# KiCad board 11-10084__speedy_processing_module__B.kicad_pcb (continued)
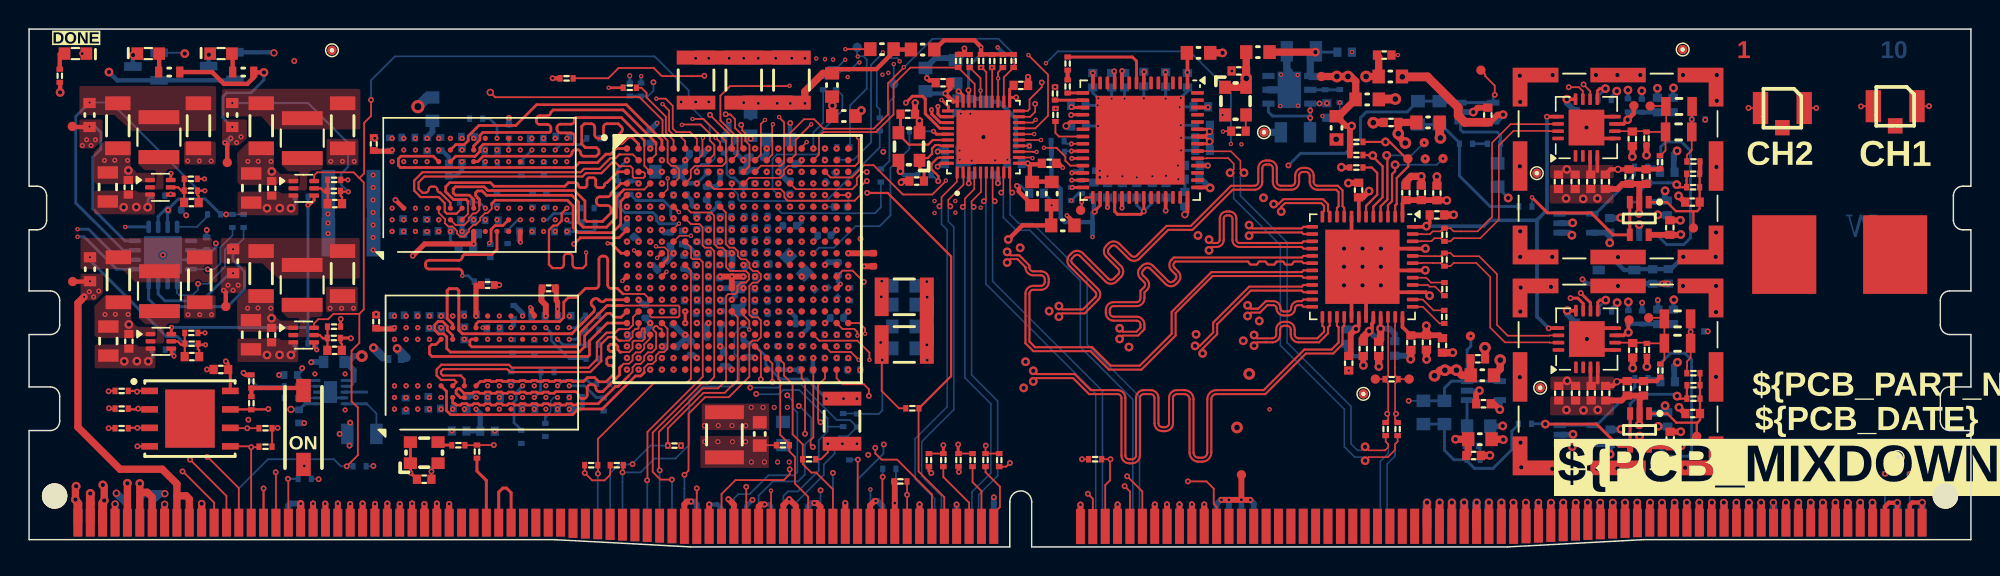
[diagram p0: board, top side]
## Routing (per net, layer and track width the routed paths; a pad name or vN(x,y) marks a point on that pad's centre or on a via; arc(x,y) is an arc through that point) (continued)
  L1 w0.149: 40.25,14.43 40.25,14.43 39.78,14.43 39.29,13.94 39.29,12.77 38.54,12.02 33.03,12.02 32.83,12.22 28.43,12.22 28.28,12.08 28.28,11.91 28.41,11.78 29.64,11.78 29.9,11.52 29.9,11.08
  L1 w0.151: 40.25,14.43 40.5,14.18 40.64,14.18
/TOP_LEVEL_IO/ZYNQ_PS/DDR3_DQS3+: length 21.6
  L3 w0.133: v2(44.26,12.99) 43.99,13.26 43.99,13.46 44.06,13.54 44.06,14.04 43.99,14.11 43.99,14.54 43.6,14.92 42.3,14.92 41.95,15.27 40.35,15.27 38.07,13 26.9,13 26.42,13.48 26.42,14 v4(26.69,14.27)
/TOP_LEVEL_IO/ZYNQ_PS/DDR3_DQS3-: length 21.6
  L3 w0.133: v4(25.89,14.27) 26.16,14 26.16,13.37 26.8,12.74 38.18,12.74 40.45,15.01 41.85,15.01 42.2,14.66 43.5,14.66 43.72,14.43 43.72,14 43.8,13.93 43.8,13.65 43.72,13.57 43.72,13.26 v2(43.46,12.99)
/TOP_LEVEL_IO/ZYNQ_PS/DDR3_ODT0: length 44.6
  L1 w0.187: U18.K1 32.13,20.45 31.78,20.09 29.88,20.09 29.75,19.97 29.75,19.94 arc(29.68,19.77) 29.51,19.7 27.46,19.7 arc(27.29,19.63) 27.22,19.46 27.22,19.34 arc(27.29,19.17) 27.46,19.1 29.51,19.1 arc(29.68,19.03) 29.75,18.86 v2(29.75,18.64)
  L7 w0.155: v2(44.26,17.79) 44.26,17.51 44.63,17.14 44.63,11.62 40.08,7.07 33.7,7.07 32.68,8.09 32.68,8.72 32.29,9.1 v2(32.29,9.47) 31.94,9.83 31.94,11.23 29.53,13.64 29.53,16.36 arc(29.45,16.53) 29.29,16.6 29.27,16.6 arc(29.1,16.67) 29.03,16.84 29.03,16.96 arc(29.1,17.13) 29.27,17.2 29.75,17.2 arc(29.91,17.26) 29.98,17.42 29.98,17.57 arc(29.91,17.73) 29.75,17.8 arc(29.59,17.86) 29.53,18.02 29.53,18.42 v2(29.75,18.64)
  L10 w0.187: 30.55,18.25 30.15,18.64 v2(29.75,18.64)
/TOP_LEVEL_IO/ZYNQ_PS/DDR3_~{CAS}: length 46
  L7 w0.155: v2(32.13,23.29) 32.13,23.65 32.3,23.82 32.3,24.82 32.15,24.97 30.55,24.97 30.25,24.67 30.25,24.32 30.38,24.19 31.4,24.19 31.73,23.87 31.73,23.14 31.52,22.93 30.48,22.93 30.1,22.56 30.1,20.87 29.26,20.03 29.26,19.36 29.63,19 29.9,19 30.1,18.79 30.1,18.52 30.28,18.35 30.28,13.59 32.29,11.58 v2(32.29,11.07) 32.29,10.82 32.74,10.37 32.74,9.18 33.15,8.77 33.15,8.19 33.83,7.52 39.85,7.52 43.9,11.57 43.9,15.18 42.48,16.6 42.48,17.07 42.57,17.16 42.76,17.16 42.98,16.95 42.98,16.94 43.38,16.54 43.81,16.54 v2(44.26,16.99)
/TOP_LEVEL_IO/ZYNQ_PS/DDR3_~{CS}: length 42.5
  L1 w0.187: v2(31.6,20.89) 31.73,21.02 31.73,21.82 32,22.09 32.54,22.09 U18.L2
  L7 w0.155: v2(41.06,17.79) 41.06,17.21 41.63,16.63 41.91,16.63 43.1,15.44 arc(43.17,15.27) 43.34,15.2 43.36,15.2 arc(43.53,15.13) 43.6,14.96 43.6,14.84 arc(43.53,14.67) 43.36,14.6 43,14.6 arc(42.93,14.57) 42.9,14.5 42.9,14.1 arc(42.93,14.03) 43,14 arc(43.07,13.97) 43.1,13.9 43.1,13.5 43.1,13.56 43.1,11.39 39.63,7.92 34.1,7.92 33.5,8.52 33.5,9.09 33.09,9.5 v2(33.09,10.27) 33.09,10.57 32.7,10.96 32.7,11.67 30.73,13.64 30.73,15.27 31.08,15.62 31.08,16.05 arc(31,16.22) 30.84,16.29 30.81,16.29 arc(30.64,16.36) 30.57,16.53 30.57,16.65 arc(30.64,16.82) 30.81,16.89 30.84,16.89 arc(31,16.96) 31.08,17.13 31.08,17.25 arc(31,17.42) 30.84,17.49 30.81,17.49 arc(30.64,17.56) 30.57,17.73 30.57,17.85 arc(30.64,18.02) 30.81,18.09 30.84,18.09 arc(31,18.16) 31.08,18.33 31.08,18.47 30.88,18.66 30.88,19.2 arc(30.81,19.37) 30.64,19.44 30.02,19.44 arc(29.85,19.51) 29.78,19.68 29.78,19.8 arc(29.85,19.97) 30.02,20.04 30.64,20.04 arc(30.81,20.11) 30.88,20.28 30.88,21.02 30.45,21.46 30.45,21.87 30.7,22.12 31.43,22.12 31.6,21.94 v2(31.6,20.89)
/TOP_LEVEL_IO/ZYNQ_PS/DDR3_~{RAS}: length 44.6
  L7 w0.155: v2(31.33,23.29) 31.33,23.29 30.2,23.29 29.33,22.42 29.33,21.36 28.73,20.76 28.73,13.84 31.49,11.08 v2(31.49,11.07) 31.49,10.77 31.14,10.42 31.14,9.68 32.38,8.44 32.38,7.67 33.48,6.57 40.28,6.57 45.5,11.79 45.5,17.04 45.2,17.34 45,17.34 44.65,17.69 44.65,17.89 44.4,18.14 44.11,18.14 43.9,17.93 43.9,17.43 v2(43.46,16.99)
  L10 w0.187: 30.48,23.69 30.93,23.69 v2(31.33,23.29)
/TOP_LEVEL_IO/ZYNQ_PS/DDR3_~{RESET}: length 39.4
  L7 w0.155: v2(43.46,26.59) 43.23,26.36 43.23,26.06 43.1,25.93 43.1,25.64 43.23,25.52 43.23,25.42 43.08,25.27 42.88,25.27 42.7,25.44 42.7,25.87 42.55,26.02 42.23,26.02 41.93,25.72 41.93,25.52 42.28,25.17 42.28,24.77 42.05,24.54 41.48,24.54 41.3,24.72 40.9,24.72 40.38,24.19 38.24,24.19 arc(38.12,24.14) 38.07,24.02 38.07,23.8 arc(38.01,23.68) 37.89,23.63 37.81,23.63 arc(37.69,23.68) 37.64,23.8 37.64,24.35 arc(37.59,24.46) 37.48,24.5 37.36,24.5 arc(37.25,24.46) 37.21,24.35 arc(37.16,24.24) 37.05,24.19 36.55,23.69 36.55,23.14 36.93,22.76 v2(36.93,22.49) 37.13,22.29 39.55,22.29 40.2,22.94 41.2,22.94 41.43,22.71 41.43,21.85 41.33,21.75 41.1,21.75 arc(40.93,21.82) 40.86,21.99 40.86,22.14 arc(40.79,22.31) 40.62,22.38 40.5,22.38 arc(40.33,22.31) 40.26,22.14 40.26,21.99 arc(40.19,21.82) 40.02,21.75 39.18,21.75 38.88,21.44 38.2,21.44 37.95,21.19 37.95,20.87 38.18,20.64 38.48,20.64 38.63,20.49 38.63,19.89 38.38,19.64 38.38,14 arc(38.34,13.91) 38.25,13.87 arc(38.15,13.83) 38.12,13.74 38.12,13.4 arc(38.15,13.31) 38.25,13.27 arc(38.34,13.23) 38.38,13.14 38.38,13.02 arc(38.3,12.85) 38.14,12.78 38.01,12.78 arc(37.84,12.71) 37.77,12.54 37.77,12.42 arc(37.84,12.25) 38.01,12.18 38.14,12.18 arc(38.3,12.11) 38.38,11.94 38.38,11.82 arc(38.3,11.65) 38.14,11.58 38.01,11.58 arc(37.84,11.51) 37.77,11.34 37.77,11.22 arc(37.84,11.05) 38.01,10.98 38.14,10.98 arc(38.3,10.91) 38.38,10.74 37.91,10.27 v4(37.09,10.27)
  L10 w0.187: R73.1 37.13,22.29 v2(36.93,22.49)
/TOP_LEVEL_IO/ZYNQ_PS/DDR3_~{WE}: length 43.3
  L7 w0.155: v2(44.26,18.59) 44.64,18.97 45.98,18.97 46.23,19.22 46.23,22.44 46.3,22.52 46.3,22.73 46.51,22.94 46.72,22.94 47.01,23.23 47.01,23.58 46.66,23.93 46.66,26.66 44.65,28.67 34.61,28.67 34.08,28.14 34.08,27.94 33.88,27.73 33.68,27.73 33.38,27.43 33.38,25.83 32.93,25.39 v2(32.93,23.29) 32.93,23 32.58,22.64 32.58,22.44 32.48,22.35 32.48,22.34 32.03,21.88 32.03,20.79 31.25,20.02 31.25,18.87 31.5,18.62 31.5,15.5 31.5,15.49 31.5,14.92 31.1,14.52 31.1,13.84 33.09,11.85 v2(33.09,11.07)
/TOP_LEVEL_IO/ZYNQ_PS/GREEN_LED: length 44.5
  L1 w0.12: IC1.A10 48.26,28.21 v1(46.76,29.7)
  L5 w0.2: v1(46.76,29.7) 46.2,30.26 46.2,31.69 45.51,32.38 42.67,32.38 41.36,31.07 36.89,31.07 36.23,31.73 12.88,31.73 v3(10.69,33.92)
  L10 w0.12: Q3.1 10.63,33.98 v3(10.69,33.92)
/TOP_LEVEL_IO/ZYNQ_PS/RED_LED: length 40
  L1 w0.12: v1(47.84,29.74) 47.83,29.74 47.83,29.73 48.16,29.73 48.48,29.4 48.48,28.8 48.93,28.35 48.93,27.51 IC1.A11
  L5 w0.12: 16.81,33.92 v8(16.81,33.97)
  L5 w0.2: v1(47.84,29.74) 47.84,32.1 46.91,33.03 20.14,33.03 19.2,33.97 v8(16.81,33.97)
  L10 w0.3: v8(16.81,33.97) 16.77,34 Q4.1
/TOP_LEVEL_IO/ZYNQ_PS/S3: length 1.3
  L10 w0.12: U26.7 R163.1
/TOP_LEVEL_IO/ZYNQ_PS/S5: length 1.3
  L10 w0.12: R164.1 18.44,11.04 U26.9
/TOP_LEVEL_IO/ZYNQ_PS/VREF0V9: length 4.6
  L10 w0.15: 48.41,25.38 48.16,25.38 47.9,25.64 47.9,26.81 47.73,26.99
  L10 w0.2: 49.05,24.74 48.41,25.38 ; 49.05,24.69 49.05,24.19 v2(49.06,24.19)
  L10 w0.25: 47.73,27.07 48.55,27.89
/TOP_LEVEL_IO/ZYNQ_PWR/PG_1V0: length 17.4
  L1 w0.2: v4(9.95,13.12) 9.76,13.31 U21.4 ; U25.6 9.73,25.67 v4(9.74,25.68)
  L5 w0.152: v4(9.74,25.68) 11.82,23.6 11.82,21.3 8.56,18.03 8.56,14.52 v4(9.95,13.12)
  L10 w0.152: v4(9.95,13.12) 9.99,13.09
  L10 w0.2: R84.1 9.81,13.56 9.95,13.42 v4(9.95,13.12)
/TOP_LEVEL_IO/ZYNQ_PWR/PG_1V8: length 22.7
  L1 w0.2: U23.4 19.56,13.74 v4(19.75,13.55) ; v4(19.15,23.5) 19.18,23.47 19.21,23.47 19.57,23.83 U22.4 ; U21.6 9.76,15.08 v4(9.78,15.09)
  L10 w0.2: 19.15,14.81 19.15,15.09 v4(9.78,15.09) ; 19.15,14.81 R83.1 19.58,13.99 19.75,13.82 v4(19.75,13.55) ; 19.15,14.81 19.15,23.29 19.15,23.3 v4(19.15,23.5) 19.15,23.64 19.16,23.65 R80.1
/TOP_LEVEL_IO/ZYNQ_PWR/TPS62A02_BUCK_1V0/EN: length 0.5
  L1 w0.2: U25.4 9.72,24.22 v4(9.72,24.25)
  L10 w0.2: v4(9.72,24.25) 9.62,24.15 R90.1
/TOP_LEVEL_IO/ZYNQ_PWR/TPS62A02_BUCK_1V0/FB: length 2.4
  L1 w0.15: R92.1 10.65,23.68 ; R92.1 10.46,24.49 10.23,24.72 9.98,24.72 ; R92.1 R91.2
/TOP_LEVEL_IO/ZYNQ_PWR/TPS62A02_BUCK_1V8/FB: length 2.4
  L1 w0.15: 10.02,14.13 10.2,14.13 10.43,13.9 10.69,13.9 ; 10.69,13.9 R77.2 ; 10.69,13.9 10.69,13.09
/TOP_LEVEL_IO/ZYNQ_PWR/TPS62A02_BUCK_1V50/FB: length 2.4
  L1 w0.15: 20.49,14.33 20.49,13.52 ; 20.49,14.33 20.19,14.33 19.96,14.56 19.82,14.56 ; 20.49,14.33 R87.2
/TOP_LEVEL_IO/ZYNQ_PWR/TPS62A02_BUCK_3V3/FB: length 2.4
  L1 w0.15: 19.83,24.65 20.03,24.65 20.26,24.42 20.5,24.42 ; 20.5,24.42 R81.2 ; 20.5,24.42 20.5,23.61
DDR3-VREF: length 91.5
  L1 w0.35: U18.H1 v4(30.53,20.83) 27.17,20.83 v1(26.35,20.02)
  L3 w0.2: v2(45.06,16.99) 44.63,17.41 44.63,17.94 44.36,18.21 43.66,18.21 43.4,18.47 ; 34.98,16.84 35.3,17.17 38.18,17.17 39.84,18.83 40.84,18.83 41.46,18.21 43.14,18.21 43.4,18.47 ; 43.4,18.47 43.4,19.41 43.63,19.64 43.63,20.4 43.94,20.71 43.94,21.15 44.57,21.79 v2(45.06,21.79)
  L3 w0.35: v2(33.89,15.07) 34.98,16.16 34.98,16.84 34.65,17.17 29.2,17.17 v1(26.35,20.02) 26.18,19.84 23.03,19.84 ; 23.03,19.84 22.08,19.84 19.73,17.5 19.73,16.05 20.59,15.19 20.59,11.48 19.86,10.74 18.91,10.74 17.98,9.81 v8(17.98,9.46) ; 23.03,19.84 23.03,28.34 23.66,28.98 32.04,28.98 v2(33.73,27.29)
  L5 w0.35: v2(30.69,9.47) 29.86,8.64 23.87,8.64 22.27,10.24 18.41,10.24 17.98,9.81 v8(17.98,9.46)
  L10 w0.2: v8(17.98,9.46) 18.01,9.42 C266.2 18.96,9.84 U26.6
  L10 w0.35: C56.1 30.98,9.18 v2(30.69,9.47) ; C58.2 30.97,7.97 ; C92.2 30.53,21.25 v4(30.53,20.83)
VREF: length 93
  L5 w0.2: v1(57.63,6.33) 70.28,6.33 71.17,5.44 87.78,5.44 90.47,8.13 95.73,8.13 97.38,9.79 99.92,9.79 100.6,10.47 102.46,10.47 103.35,9.58 104.83,9.58 104.88,9.53
  L5 w0.3: v1(106.68,18.4) 107.31,18.4
  L5 w0.4: v3(105.95,21.43) 105.95,21.41 107.31,20.05 107.31,16.53 104.88,14.1 104.88,7.44 105.43,6.89 v3(105.98,6.89)
  L7 w0.2: v1(57.63,6.33) 57.63,7.32 56.97,7.98 54.02,7.98 53.46,8.54 51.02,8.54 50.49,9.08 47.79,9.08 47.03,9.84 47.03,18.96 v2(47.46,19.39)
  L10 w0.3: U14.4 106.98,18.09 v1(106.68,18.4)
  L10 w0.4: v3(105.95,21.43) 105.78,21.61 U4.1 ; U8.1 105.8,7.07 v3(105.98,6.89)
VTT: length 5.4
  L10 w0.12: 23.19,9.83 23.85,9.17 C267.2 ; 23.19,10.64 23.21,10.62
  L10 w0.2: 21.66,9.83 21.66,9.84 23.19,9.84 23.19,9.83 ; U26.3 23.19,10.64
Net-(C203-1-Pad2): length 10.4
  L10 w0.2: 98.23,27.78 96.96,29.04 ; C204.2 C203.2 ; R23.1 98.23,25.51 100.33,23.4 R11.2
Net-(C205-1-Pad2): length 10.9
  L10 w0.2: C207.2 C205.2 97.2,6.64 97.85,5.99 R24.1 ; R12.2 102.28,8.41 101.83,7.96 101.83,6.69 100.54,5.4 99.25,5.4 98.75,5.9
Net-(D1-PadA): length 1.1
  L1 w0.3: R52.1 2.1,33.88 2.14,33.92
Net-(D5-PadA): length 1.3
  L1 w0.3: D5.A 8.93,32.68 R68.1
Net-(D6-PadA): length 1.3
  L1 w0.3: D6.A 13.98,33.87 R166.1
Net-(IC1A-VCCADC_0): length 9.4
  L5 w0.2: v2(47.46,20.99) 47.85,21.38 47.85,24.76 46.99,25.63 46.99,26.78 48.28,28.07 49.54,28.07 v1(49.55,28.07)
Net-(IC1D-PS_DDR_VRN_502): length 4
  L10 w0.2: 41.28,24.24 41.7,23.81 43.56,23.81 44.06,23.31 44.06,22.78 v2(44.26,22.59)
Net-(IC1D-PS_DDR_VRP_502): length 6.2
  L1 w0.1: 44.26,21.86 v2(44.63,22.23)
  L10 w0.2: R70.2 40.43,23.49 40.92,22.99 42.83,22.99 43.08,22.74 43.08,22.43 43.3,22.21 44.64,22.21 v2(44.63,22.23)
Net-(IC1E-PS_MIO6_500): length 5.4
  L1 w0.12: R54.1 42.05,31.57 42.4,31.22 42.4,30.91 43.73,29.58 43.73,28.49 44.26,27.96 IC1.A5
Net-(IC1F-PS_MIO16_501):
  vias: v2(55.46,27.39)
Net-(IC1F-PS_MIO17_501): length 11.2
  L10 w0.12: v2(51.46,24.19) 51.05,24.59 51.05,26.68 51.35,26.98 54.1,26.98 54.25,27.13 54.25,28.4 55.85,30 55.85,31.05 55.46,31.43 R125.2
Net-(IC1F-PS_MIO18_501):
  vias: v2(54.66,26.59)
Net-(IC1F-PS_MIO19_501): length 13.7
  L10 w0.12: R127.2 58.42,27.46 54.73,23.78 48.81,23.78 48.69,23.91 48.69,24.24 48.26,24.67 v2(48.26,24.99)
Net-(IC1F-PS_MIO20_501): length 4.3
  L10 w0.12: R128.2 54.53,29.17 53.86,28.49 v2(53.86,27.39)
Net-(IC1F-PS_MIO21_501): length 9.3
  L10 w0.12: v2(51.46,23.39) 51.46,23.16 51.68,22.94 58.09,22.94 58.49,23.35 R129.2
Net-(IC1G-VCCBATT_0): length 18.3
  L5 w0.12: v1(42.88,31.94) 44.15,30.67 44.15,30.17 44.43,29.89 45.89,29.89 47.36,28.43 49.71,28.43 49.91,28.23 49.91,27.92 49.58,27.59 48.36,27.59 47.85,27.08 47.85,25.72 48.24,25.32 48.52,25.32 48.72,25.12 48.72,23.72 v2(49.06,23.39)
  L10 w0.12: v1(42.88,31.94) 42.88,31.37 42.5,30.99 R165.1
  L10 w0.2: R74.2 R165.1
Net-(JEDEC1-Pad35): length 5.3
  L1 w0.2: JEDEC1.35 32.25,3.76 32.53,4.04 32.79,4.04 33.1,3.73 JEDEC1.36
Net-(JEDEC1-Pad285): length 2.5
  L10 w0.12: JEDEC1.285 127.45,4.13
Net-(JEDEC1-Pad287): length 2.4
  L10 w0.12: JEDEC1.287 129.15,4.1
Net-(Q3-D): length 0.8
  L10 w0.3: Q3.3 7.12,33.8 v8(7.13,33.81) 7.16,33.84
Net-(Q4-D): length 0.8
  L10 w0.3: v8(12.34,33.84) 12.33,33.83 Q4.3
Net-(R23-Pad2): length 1
  L10 w0.2: R75.1 R23.2
Net-(R24-Pad2): length 1.1
  L10 w0.2: R24.2 99.65,7.09
Net-(R61-Pad1): length 4
  L1 w0.3: R65.1 R61.1 18.66,10.93
Net-(R167-Pad2): length 21
  L5 w0.12: v1(115.28,14.81) 124.15,14.81 129.15,9.81 v1(129.15,5)
  L10 w0.12: R176.1 v1(115.28,14.81)
Net-(R168-Pad2): length 36
  L5 w0.12: v1(127.45,5.03) 127.45,9.51 123.11,13.85 114.12,13.85 113.58,14.38 113.58,15.4 115.11,16.92 v1(115.11,29.37)
Net-(U1-+): length 8.1
  L1 w0.156: 114.3,23.08 TP4.1 ; 114.3,23.08 114.55,23.08 114.73,23.26 C9.2 R7.2 R4.2 ; 114.3,23.08 113.1,23.08 112.48,23.71 U1.1
  L1 w0.3: 114.75,26.44 114.75,25.68
Net-(U1--): length 10.7
  L1 w0.2: U1.3 U1.4 108.78,21.46 107.27,22.97 104.27,22.97 v2(103.21,24.03)
  L10 w0.12: R11.1 v2(103.21,24.03)
Net-(U2-+): length 14.5
  L10 w0.2: U2.1 111.79,21.46 112.46,20.78 113.63,20.78 114.09,21.24 114.09,27.24 113.48,27.84 112.39,27.84 112.05,27.5 R10.2 112.05,25.81 ; R9.1 111.63,26.13 C17.2
Net-(U2--): length 8.1
  L1 w0.156: R4.1 R7.1 113.33,24.73 v3(113.15,24.91)
  L10 w0.2: v3(113.15,24.91) 113.03,25.03 112.58,25.03 112.58,25.03 112.12,25.03 112.12,25.03 TP31.1 110.68,24.51 110.68,23.96 110.43,23.71 U2.4 U2.3
Net-(U4--): length 6.6
  L10 w0.2: 107.58,22.91 110.25,25.58 R9.2 ; U4.3 U4.4
Net-(U5-+): length 8
  L1 w0.156: TP14.1 114.52,8.49 114.58,8.54 ; 114.75,11.94 R19.2 R16.2 C28.2 114.75,8.72 114.58,8.54 ; 114.58,8.54 113.13,8.54 112.5,9.17 U5.1
Net-(U5--): length 9.7
  L1 w0.2: v3(104.13,8.44) 107.65,8.44 109.18,6.92 U5.4 U5.3
  L10 w0.2: v3(104.13,8.44) 103.93,8.44 103.9,8.47 R12.1
Net-(U6-+): length 14.7
  L10 w0.2: 112.08,11.27 R22.2 112.08,12.67 112.72,13.32 113.71,13.32 114.17,12.86 114.17,6.47 113.93,6.23 112.57,6.23 111.88,6.92 U6.1 ; 112.03,11.22 C36.2 111.79,11.59 R21.1
Net-(U6--): length 8.1
  L1 w0.156: R19.1 R16.1 113.35,10.19 v3(113.18,10.37)
  L10 w0.2: v3(113.18,10.37) 113.05,10.49 110.61,10.49 109.95,9.84 109.95,9.17 U6.4 U6.3
Net-(U8--): length 6.6
  L10 w0.2: 107.65,8.37 110.28,11 R21.2 ; U8.3 U8.4
Net-(U10-ADJ): length 1.9
  L10 w0.2: U10.5 89.87,31.43
Net-(U11-ZQ): length 0.7
  L10 w0.35: v2(33.09,15.07) 33.27,15.25 R71.2
Net-(U13-IC1N): length 1.9
  L1 w0.2: U13.16 70.46,30.71
Net-(U13-IC1P): length 1
  L1 w0.2: U13.15 71.33,31.21
Net-(U13-IC2N): length 1.6
  L1 w0.25: v8(71.22,28.94) 71.49,29.21 U13.19
  L10 w0.3: v8(71.22,28.94) C74.1
Net-(U13-IC2P): length 12.3
  L1 w0.12: v2(81.99,28.56) 82.01,28.58 C73.1
  L1 w0.2: v1(71.56,29.69) 71.58,29.71 U13.18
  L5 w0.12: v1(71.56,29.69) 71.57,29.7 80.84,29.7 v2(81.99,28.56)
Net-(U13-OC1P): length 6.3
  L1 w0.2: U13.8 76.05,33.4 75.77,33.68 R48.2
Net-(U13-VDDOA): length 16.3
  L1 w0.12: 76.42,22.94 v1(76.55,23.07)
  L1 w0.2: U13.11 74.55,32.69 ; U13.36 v1(76.55,23.07) 76.35,22.87 74.75,22.87 74.55,23.06 U13.32 ; 71.58,30.21 U13.17
  L1 w0.25: U13.46 v1(80.95,26.21) ; U13.43 81.07,24.71 v3(81.1,24.68) ; U13.7 76.55,32.65 v1(76.57,32.67) ; U13.42 79.55,23.43 79.55,23.43 79.55,23.02 v8(79.37,22.84) ; v1(80.95,30.22) 80.94,30.21 U13.54 ; 79.55,33.93 v1(79.55,32.62) 79.55,32.35
  L1 w0.3: 74.55,32.69 74.54,32.7 v1(74.51,32.7) ; v1(71.58,30.24) 71.58,30.21 71.58,30.21
  L10 w0.2: C213.2 77.14,23.66 v1(76.55,23.07) 76.5,23.07 76.07,23.5 C216.2
  L10 w0.3: C66.2 v8(79.37,22.84)
  L10 w0.4: v1(80.95,26.21) 80.94,26.22 C68.2 ; v3(81.1,24.68) 80.5,25.28 C67.2
Net-(U17-CLKOUT): length 1.8
  L1 w0.2: U17.35 62.31,28.37 v4(62.11,28.57)
  L10 w0.12: v4(62.11,28.57) 61.36,28.57
Net-(U17-LED0/CFG_EXT): length 28.3
  L1 w0.12: v1(65.69,6.97) 65.68,6.95 R121.2 R119.1
  L1 w0.2: U17.32 62.6,29.57 62.41,29.76 v4(62.41,30.28)
  L3 w0.2: v4(62.41,30.28) 62.53,30.16 62.53,28.08 61.56,27.11 61.56,20.91 64.68,17.79 64.68,7.93 65.59,7.02 65.64,7.02 v1(65.69,6.97)
Net-(U17-LED1/CFG_LDO0): length 27.8
  L1 w0.12: R123.2 R122.1
  L1 w0.2: v4(61.97,30.06) 61.99,30.03 61.99,29.76 62.58,29.17 U17.33 ; v1(63.8,7.04) 63.8,6.44
  L3 w0.2: v4(61.97,30.06) 61.97,30.05 61.97,29.34 61.01,28.38 61.01,20.46 63.5,17.97 63.5,8.36 63.85,8.01 63.85,7.09 v1(63.8,7.04)
Net-(U17-LED2/CFG_LDO1): length 30.8
  L1 w0.12: R118.2 R120.1
  L1 w0.2: U17.34 62.55,28.77 61.54,29.78 61.54,30.79 61.35,30.98 60.66,30.98 v1(60.21,30.54) ; v1(62.78,6.99) R118.2
  L3 w0.2: v1(62.78,6.99) 62.78,7.88 60.34,10.32 60.34,29.47 60.21,29.6 v1(60.21,30.54)
Net-(U17-RSET): length 3.3
  L1 w0.15: U17.39 62.55,26.77 62.52,26.75 62.39,26.75 61.97,26.32 61.97,25.97 62.23,25.7 62.23,25.7 62.45,25.48 62.45,25.13 62.44,25.13 v1(62.43,25.14)
  L10 w0.15: 62.01,25.56 v1(62.43,25.14)
Net-(U17-XTAL_IN): length 5.1
  L1 w0.15: 59.84,28.23 60.42,27.66 61.75,27.66 62.06,27.97 U17.36
  L1 w0.2: 59.84,29.93 59.84,28.43
Net-(U17-XTAL_OUT/EXT_CLK): length 4.2
  L1 w0.15: 61.14,26.73 61.71,26.73 62.01,27.03 62.01,27.39 62.24,27.63 62.53,27.63 62.58,27.58 63.1,27.58
  L1 w0.2: 61.46,25.27 61.46,25.76 61.14,26.08 61.14,26.73
Net-(U18-ZQ): length 0.8
  L10 w0.2: R72.2 32.95,27.31 v4(32.93,27.29)
Net-(U19-+): length 5.2
  L10 w0.2: 101.05,26.57 R75.2 101.05,28.29 100.83,28.52 98.48,28.52 98.3,28.69 U19.1
Net-(U20-+): length 3
  L10 w0.2: 98.75,7.09 C210.2 U20.1
Net-(U24-~{PWRDN}): length 2.5
  L10 w0.12: 12.2,22.87 12.2,22.68 11.53,22 U24.16
Net-(U27-OUTPUT): length 0.9
  L1 w0.2: 28.08,7 29.02,7

## Copper pours and planes (outline as drawn; the poured copper is in the pictures)
+1v0 on L1: 3.45,29.39 3.45,27.39 4.45,27.39 5.05,27.99 5.05,29.39
+1v0 on L1: 46.2,8.03 50.83,8.03 50.83,9.86 46.2,9.86
+1v0 on L10: 46.17,8.03 52.53,8.03 52.53,10.26 52.52,10.27 46.17,10.27
+1v0 on L3: 44.25,17.39 44.25,26.79 41.75,29.49 6.55,29.49 5.15,28.19 5.15,26.09 2.55,26.09 2.55,33.09 53.15,33.12 53.15,8.79 46.25,8.79 46.25,15.39
+1v5 on L1: 13.16,19.29 13.16,17.44 14.46,17.44 14.91,17.89 14.91,19.29
+1v5 on L9: 23.26,28.81 23.28,19.25 13.28,19.25 13.28,13.05 20.71,13.05 25.87,7.55 44.88,7.55 44.88,28.85
+1v8 on L1: 3.53,18.79 3.53,16.94 4.58,16.94 5.08,17.44 5.08,18.79
+1v8 on L10: 57.93,12.45 57.93,18.75 59.88,18.75 59.88,12.45
+1v8 on L9: 2.56,33.09 2.56,15.59 7.38,15.55 7.38,31.15 46.52,31.23 46.47,15.88 50.98,15.88 50.98,11.85 62.98,11.85 62.98,8.65 97.68,8.75 97.78,30.55 81.79,30.55 81.79,22.15 70.99,22.15 71.01,33.32
+1v8A on L5: 94.18,24.3 94.18,16.05 89.93,16.05 89.93,13.55 98.93,13.55 98.93,24.3
+1v8APLL on L7: 72.78,22.85 81.5,22.85 81.5,29.66 84.99,29.64 85.01,33.42 82.95,33.43 72.98,33.45 72.78,33.25
+1v8D on L7: 89.33,28.45 89.33,14.05 93.38,14.05 93.38,28.45
+2v4 on L7: 89.78,31.17 86.79,31.17 86.79,20.28 86.13,20.28 86.13,4.6 81.33,4.6 81.33,2.09 89.07,2.09 89.07,29.17 89.78,29.17
+3v3 on L1: 13.25,29.39 13.25,27.59 14.38,27.59 14.95,28.08 14.95,29.39
+3v3 on L9: 1.75,33.28 116.56,33.28 116.56,3.94 1.87,3.94 1.87,4.07 1.75,4.07
+5V_CONN on L1: 17.33,24.3 17.2,24.43 14.4,24.43 14.31,24.34 14.31,22.8 18.49,22.79 18.49,24.3
+5V_CONN on L1: 7.52,13.78 7.39,13.91 4.59,13.91 4.5,13.82 4.5,12.28 8.68,12.27 8.68,13.78
+5V_CONN on L1: 7.48,24.37 7.35,24.5 4.55,24.5 4.46,24.41 4.46,22.87 8.64,22.86 8.64,24.37
+5V_CONN on L1: 17.32,14.21 17.19,14.34 14.39,14.34 14.3,14.25 14.3,12.71 18.48,12.7 18.48,14.21
+5V_CONN on L10: 3.02,2.67 3.02,13.49 18.51,13.49 18.51,12.33 14.45,12.33 14.45,11.44 5.43,11.44 5.43,2.67
+5V_CONN on L3: 1.65,2.79 1.63,25.78 18.95,25.79 18.95,12.99 18.15,12.19 16.15,12.19 11.55,7.59 11.55,2.79
+5V_PGA on L7: 95.6,2.55 95.6,11.82 93.59,11.82 93.59,14.05 93.62,14.05 93.62,29.19 96.26,29.19 96.26,29.14 96.24,29.14 96.24,24.77 99.51,24.77 99.51,16.03 99.61,16.03 99.61,9.3 100.71,9.3 100.71,2.55
/TOP_LEVEL_IO/ZYNQ_PWR/+1v0_Sense on L1: 3.45,29.69 5.85,29.69 7.05,28.59 12.85,28.59 12.85,31.69 3.45,31.69
/TOP_LEVEL_IO/ZYNQ_PWR/+1v5_Sense on L1: 13.16,21.24 13.16,19.49 16.01,19.49 17.11,18.44 22.66,18.44 22.71,18.49 22.71,21.24
/TOP_LEVEL_IO/ZYNQ_PWR/+1v8_Sense on L1: 3.53,19.09 6.38,19.09 7.28,18.19 12.93,18.19 12.93,21.24 3.53,21.24
/TOP_LEVEL_IO/ZYNQ_PWR/+3v3_Sense on L1: 16.75,28.69 15.95,29.59 13.25,29.59 13.25,31.49 22.75,31.49 22.75,28.69
GND on L1: 18.34,25 17.11,25 16.98,24.87 14.49,24.87 14.3,25.06 14.3,26.36 14.29,26.37 14.29,27.08 15.02,27.81 16.81,27.81 16.82,27.8 16.82,26.08 17.25,25.65 18.49,25.65 18.49,25.15
GND on L1: 104.43,23.61 104.43,24.91 108.83,24.91 108.83,23.61
GND on L1: 104.45,9.04 104.45,10.34 108.85,10.34 108.85,9.04
GND on L1: 8.49,25.07 7.26,25.07 7.13,24.94 4.64,24.94 4.45,25.13 4.45,26.43 4.44,26.44 4.44,27.15 5.17,27.88 6.96,27.88 6.97,27.87 6.97,26.15 7.4,25.72 8.64,25.72 8.64,25.22
GND on L1: 22.62,28.06 22.62,26.24 20.43,26.24 20.43,28.06
GND on L1: 22.57,17.88 22.57,16.14 20.38,16.14 20.38,17.88
GND on L1: 12.82,27.87 12.82,26.28 10.63,26.28 10.63,27.87
GND on L1: 50.8,7.63 50.8,5.43 46.1,5.43 46.1,7.63
GND on L1: 18.33,14.91 17.1,14.91 16.97,14.78 14.48,14.78 14.29,14.97 14.29,16.27 14.28,16.28 14.28,16.99 15.01,17.72 16.8,17.72 16.81,17.71 16.81,15.99 17.24,15.56 18.48,15.56 18.48,15.06
GND on L1: 12.82,17.29 12.82,15.7 10.63,15.7 10.63,17.29
GND on L1: 8.53,14.48 7.3,14.48 7.17,14.35 4.68,14.35 4.49,14.54 4.49,15.84 4.48,15.85 4.48,16.56 5.21,17.29 7,17.29 7.01,17.28 7.01,15.56 7.44,15.13 8.68,15.13 8.68,14.63
GND on L10: 20.25,11.67 19.28,11.67 19.28,12.14 22.13,12.14 22.13,11.67 21.15,11.67 21.15,9.62 22.1,9.62 22.1,9.22 19.3,9.22 19.3,9.64 19.28,9.62 20.25,9.62
GND on L10: 46.2,5.62 52.37,5.62 52.37,7.63 46.2,7.63
GND on L10: 62.31,12.45 60.36,12.45 60.36,18.83 62.31,18.83
GND on L2, L4, L6, L8: -2.95,38.69 -2.95,-1.31 137.05,-1.31 137.05,38.69
+VPGA on L1: 104.45,25.33 104.45,26.26 108.83,26.26 108.83,25.33
+VPGA on L1: 104.48,10.79 104.48,11.72 108.85,11.72 108.85,10.79
+VPGA on L7: 99.98,9.65 114.18,9.65 114.18,25.28 99.98,25.28
+VPGA on L7: 96.38,25.05 113.38,25.05 113.38,32.25 96.38,32.25
/TOP_LEVEL_IO/Ethernet/ETH_VCC1V0 on L3: 62.04,31.56 62.04,24.98 62.51,24.51 70.14,24.51 70.62,24.99 70.62,31.16 70.22,31.56
VTT on L10: 40.28,32.97 40.28,6.41 22.55,6.42 22.57,32.97
Net-(U13-VDDOA) on L9: 71.18,22.45 81.58,22.45 81.58,30.85 84.93,30.85 84.93,33.15 71.18,33.15
Net-(U21-SW) on L1: 8.32,13.98 9.27,13.98 9.27,15.06 9.57,15.36 10.21,15.36 10.35,15.5 10.35,16.69 7.55,16.69 7.55,15.72 7.97,15.3 8.67,15.3 8.76,15.21 8.76,14.34 8.7,14.28 8.32,14.28
Net-(U22-SW) on L1: 18.13,24.5 19.08,24.5 19.08,25.58 19.38,25.88 20.02,25.88 20.16,26.02 20.16,27.21 17.36,27.21 17.36,26.24 17.78,25.82 18.48,25.82 18.57,25.73 18.57,24.86 18.51,24.8 18.13,24.8
Net-(U23-SW) on L1: 18.12,14.41 19.07,14.41 19.07,15.49 19.37,15.79 20.01,15.79 20.15,15.93 20.15,17.12 17.35,17.12 17.35,16.15 17.77,15.73 18.47,15.73 18.56,15.64 18.56,14.77 18.5,14.71 18.12,14.71
Net-(U25-SW) on L1: 8.28,24.57 9.23,24.57 9.23,25.65 9.53,25.95 10.17,25.95 10.31,26.09 10.31,27.28 7.51,27.28 7.51,26.31 7.93,25.89 8.63,25.89 8.72,25.8 8.72,24.93 8.66,24.87 8.28,24.87

## Text on the board
L10: 10 | W
Bottom Solder: W
User.Comments: Top Overlay | Top Paste | Top Solder | Top Layer | Dielectric 1 | In1.Cu | Dielectric 2 | In2.Cu | Dielectric 3 | In3.Cu | Dielectric 4 | In4.Cu | Dielectric 5 | In5.Cu | Dielectric 6 | In6.Cu | Dielectric 7 | In7.Cu | Dielectric 8 | In8.Cu | Dielectric 9 | Bottom Layer | Bottom Solder | Bottom Paste | Bottom Overlay | Top Silk Screen | Top Solder Paste | Top Solder Mask | copper | prepreg | core | Bottom Solder Mask | Bottom Solder Paste | Bottom Silk Screen | Not specified | 1080 RC69% 3.39mil | FR4 | 2116 RC57% 5mil | 0 mm | 0.01 mm | 0.035 mm | 0.0784 mm | 0.0152 mm | 0.13 mm | 0.1118 mm | 1 | 3.3 | 3.91 | 4.6 | 4.3 | 4.5 | 0 | 0.02 | Copper Layer Count: | Board overall dimensions: | Min track/spacing: | Copper Finish: | Castellated pads: | Edge card connectors: | 10 | 133.3500 mm x 31.9640 mm | 0.1000 mm / 0.1000 mm | None | No | Board Thickness: | Min hole diameter: | Impedance Control: | Plated Board Edge: | 1.2238 mm | 0.1500 mm | Yes | Layer Name | Type | Material | Thickness (mm) | Color | Epsilon R | Loss Tangent | BOARD CHARACTERISTICS | JLC10121H-1080
L1: 1
Top Overlay: DONE | CH2 | ${PCB_PART_NUMBER} | ${PCB_DATE} | CH1 | ${PCB_MIXDOWN}
L2: 2
L3: 3
L4: 4
L5: 5
L6: 6
L7: 7
L8: 8
L9: 9
Mechanical 6: JLC10121H-1080(Finished thickness1.2mm±10%)
